# Altium PCB FOC_DRIVER.PcbDoc (part 4 of 4)
Units mil, origin at the board's own origin, x right, y up, seen from the top; angles counter-clockwise.
Board outline 1968.5 x 1968.5 mil, 4 copper layers (Top Layer, POWER, GND, Bottom Layer), stack 23.756 mil thick; 167 components, 132 nets, 818 pads, 2345 vias.
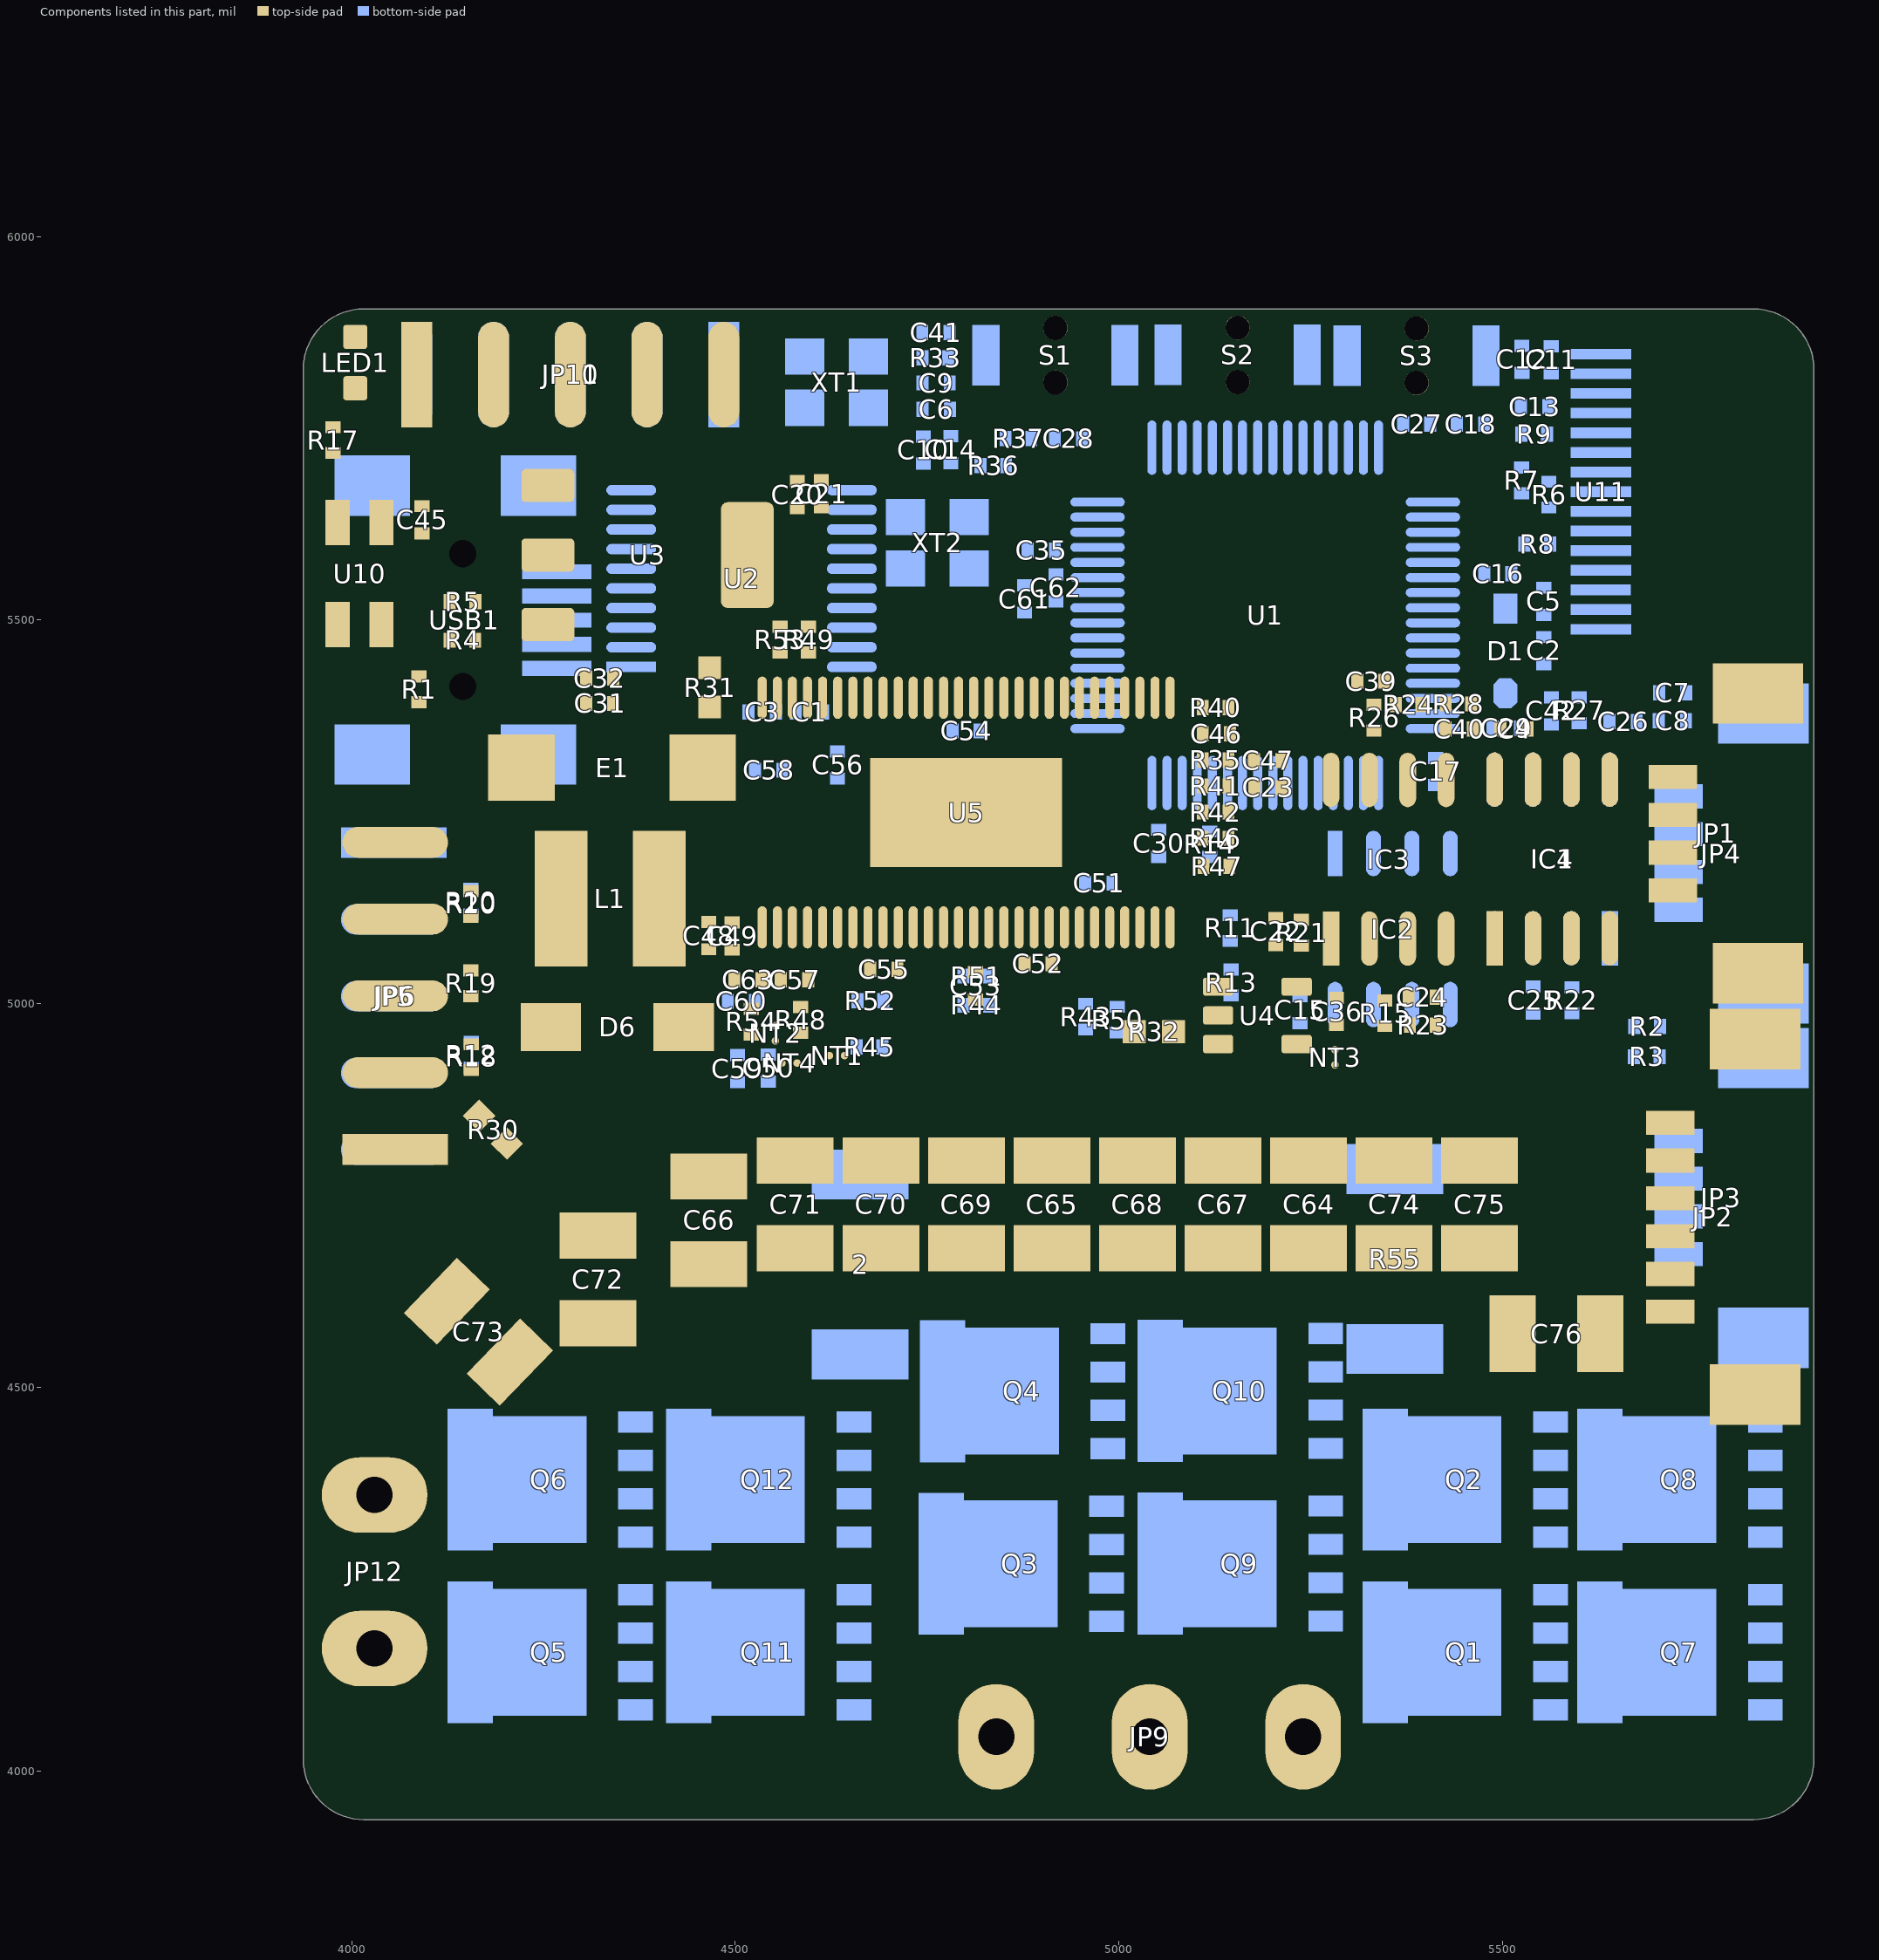
[diagram p6: the components of this part, seen from the top]

## Silkscreen, mask and mechanical layers (free items; w line width, h text height)
Top Overlay:
  text "GND" at 4056.7,5792.08 h14 r90
  text "IO 2" at 4143.71,5792.08 h14 r90
  text "IO 4" at 4256.74,5792.08 h14 r90
  text "IO 6" at 4347.4,5792.08 h14 r90
  text "IO 8" at 4533,5792.08 h14 r90
  text "GND" at 5666.88,5330.38 h10
  text "DAC2" at 5666.88,5315.11 h10
  text "GND" at 3999.1,5233.2 h14
  text "ENC_Z" at 3997.6,5150.83 h14
  text "GND" at 5673.99,5056.57 h10
  text "ENC_B" at 3997.3,5050.73 h14
  text "DAC1" at 5673.99,5041.3 h10
  text "ENC_A" at 3995.6,4946.83 h14
  text "3V3" at 3995.3,4844.6 h14
  text "GND" at 5638.8,4841.7 h10
  text "MOSI" at 5638.8,4794.65 h10
  text "MISO" at 5638.8,4747.6 h10
  text "SCK" at 5638.8,4700.55 h10
  text "3V3" at 5638.8,4653.5 h10
  text "C" at 4821.9,4297.9 h60
  text "B" at 5031.03,4297.9 h60
  text "A" at 5240.17,4297.9 h60
Bottom Overlay:
  text "IO 9" at 4056.9,5855.3 h16 r90
  text "IO 7" at 4138.91,5855.3 h16 r90
  text "IO 5" at 4256.8,5855.3 h16 r90
  text "IO 3" at 4348.9,5855.3 h16 r90
  text "IO 1" at 4538.34,5855.3 h16 r90
  text "ADC1" at 5697.74,5326.39 h10
  text "GND" at 5691.07,5305.29 h10
  text "3V3" at 4102.68,5241.9 h14
  text "SWCLK" at 4102.68,5152.9 h14
  text "ADC2" at 5710.35,5059.4 h10
  text "GND" at 4102.68,5052.76 h14
  text "GND" at 5700.36,5037.8 h10
  text "SWDIO" at 4102.68,4952.45 h14
  text "NRST" at 4102.68,4848.6 h14
  text "3V3" at 5666.46,4819.3 h10
  text "SCL" at 5666.46,4769.93 h10
  text "SDA" at 5666.46,4720.57 h10
  text "GND" at 5666.46,4671.2 h10
Mechanical 1:
  the board outline again, w10